# Altium PCB UltraZohm_Digital_Resolver.PcbDoc (part 3 of 3) (continued)
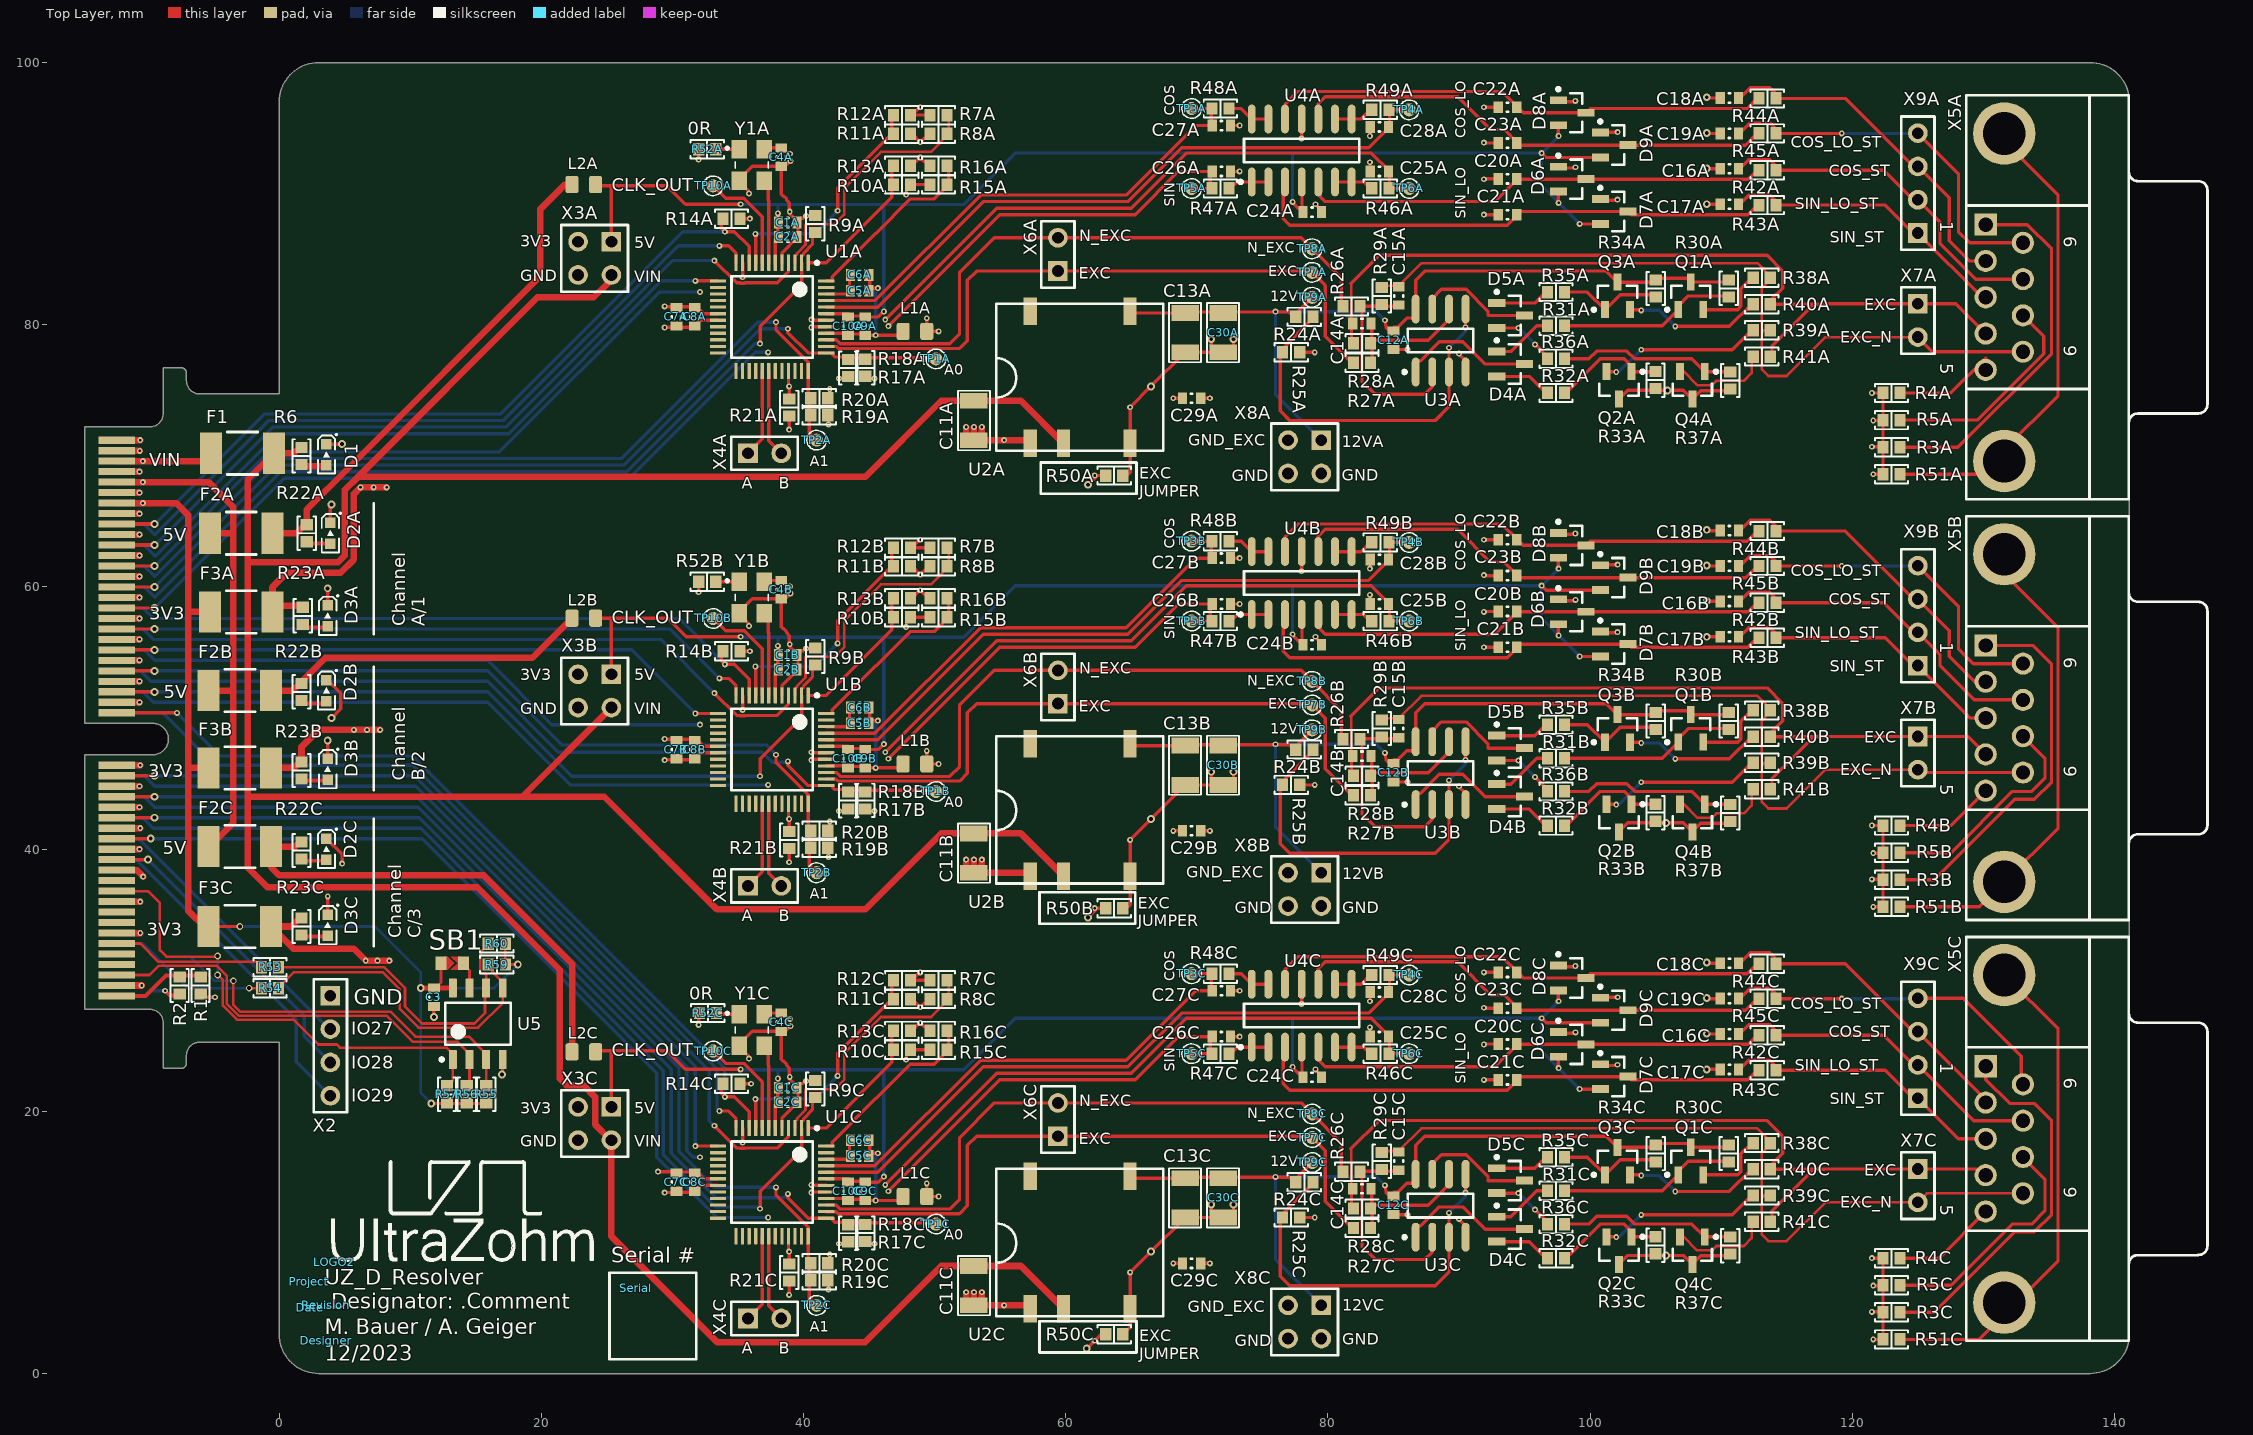
[diagram p0: Top Layer view]
## Nets (pads, with @x,y where several pads share a name; then routed paths per layer and width w, separated by ;. In a path a pad name is that pad's centre, name@x,y a point inside that pad or via, vN(x,y) a via of type N, cw(c..) or ccw(c..) an arc to the next point about the centre after c; other vN are vias at no path point) (continued)
NetC22C_1: C22C.1 D8C.3 R44C.2 U4C.12 | length 38.7
  Top Layer w0.254: U4C.12@76.73,29.7 76.73,30.83 77.7,31.8 93.275,31.8 94.475,30.6 94.898,30.177 D8C.3@99.68,30.177 100.003,30.5 111.983,30.5 R44C.2@112.75,31.267
NetC23A_1: C23A.1 D9A.3 R45A.2 U4A.10 | length 36.8
  Top Layer w0.254: U4A.10@79.27,95.7 79.27,96.87 79.8,97.4 89.9,97.4 92.4,94.9 93.442,94.9 94.475,93.867 94.632,93.71 D9A.3@102.88,93.71 111.86,93.71 R45A.2@112.75,94.6
NetC23B_1: C23B.1 D9B.3 R45B.2 U4B.10 | length 36.8
  Top Layer w0.254: U4B.10@79.27,62.7 79.27,63.87 79.8,64.4 89.9,64.4 92.4,61.9 93.442,61.9 94.475,60.867 94.632,60.71 D9B.3@102.88,60.71 111.86,60.71 R45B.2@112.75,61.6
NetC23C_1: C23C.1 D9C.3 R45C.2 U4C.10 | length 36.8
  Top Layer w0.254: U4C.10@79.27,29.7 79.27,30.87 79.8,31.4 89.9,31.4 92.4,28.9 93.442,28.9 94.475,27.867 94.632,27.71 D9C.3@102.88,27.71 111.86,27.71 R45C.2@112.75,28.6
NetD1_2: D1.2 R6.1 | length 1.9
  Top Layer w0.5: R6.1@1.7,69.225 3.525,69.225 D1.2@3.6,69.3
NetD2A_2: D2A.2 R22A.1 | length 1.8
  Top Layer w0.3: R22A.1@2.1,63.325 D2A.2@3.875,63.325
  Top Layer w0.5: D2A.2@3.875,63.325 D2A.2@3.9,63.3
NetD2B_2: D2B.2 R22B.1 | length 2
  Top Layer w0.3: R22B.1@1.7,51.125 3.425,51.125 D2B.2@3.6,51.3
NetD2C_2: D2C.2 R22C.1 | length 2
  Top Layer w0.254: R22C.1@1.7,39.125 3.425,39.125 D2C.2@3.6,39.3
NetD3A_2: D3A.2 R23A.1 | length 2
  Top Layer w0.3: R23A.1@1.7,56.925 3.625,56.925 D3A.2@3.7,57
NetD3B_2: D3B.2 R23B.1 | length 2
  Top Layer w0.3: R23B.1@1.7,45.225 3.625,45.225 D3B.2@3.7,45.3
NetD3C_2: D3C.2 R23C.1 | length 2
  Top Layer w0.3: R23C.1@1.7,33.325 3.625,33.325 D3C.2@3.7,33.4
NetD4A_1: D4A.1 R31A.1 | length 4.3
  Top Layer w0.254: D4A.1@93.18,77.96 93.96,77.96 95.933,79.933 R31A.1@96.625,79.933
NetD4A_2: D4A.2 R32A.1 | length 4.3
  Top Layer w0.254: D4A.2@92.88,76.06 95.365,76.06 R32A.1@96.625,74.8
NetD4A_3: D4A.3 U3A.1 | length 10.4
  Top Layer w0.254: U3A.1@86.695,76.4 86.695,77.106 86.855,77.266 87.066,77.266 88.504,78.704 90.296,78.704 91.99,77.01 D4A.3@94.98,77.01
NetD4B_1: D4B.1 R31B.1 | length 4.3
  Top Layer w0.254: D4B.1@93.18,44.96 93.96,44.96 95.933,46.933 R31B.1@96.625,46.933
NetD4B_2: D4B.2 R32B.1 | length 4.3
  Top Layer w0.254: D4B.2@92.88,43.06 95.365,43.06 R32B.1@96.625,41.8
NetD4B_3: D4B.3 U3B.1 | length 10.4
  Top Layer w0.254: U3B.1@86.695,43.4 86.695,44.106 86.855,44.266 87.066,44.266 88.504,45.704 90.296,45.704 91.99,44.01 D4B.3@94.98,44.01
NetD4C_1: D4C.1 R31C.1 | length 4.3
  Top Layer w0.254: D4C.1@93.18,11.96 93.96,11.96 95.933,13.933 R31C.1@96.625,13.933
NetD4C_2: D4C.2 R32C.1 | length 4.3
  Top Layer w0.254: D4C.2@92.88,10.06 95.365,10.06 R32C.1@96.625,8.8
NetD4C_3: D4C.3 U3C.1 | length 10.4
  Top Layer w0.254: U3C.1@86.695,10.4 86.695,11.106 86.855,11.266 87.066,11.266 88.504,12.704 90.296,12.704 91.99,11.01 D4C.3@94.98,11.01
NetD5A_1: D5A.1 R35A.1 | length 3.8
  Top Layer w0.254: D5A.1@93.18,81.66 95.785,81.66 R35A.1@96.625,82.5
NetD5A_2: D5A.2 R36A.1 | length 4.6
  Top Layer w0.254: D5A.2@93.18,79.76 v1(94.54,79.76) ; v1(95.8,78.5) 96.625,77.675 R36A.1@96.625,77.4
  Bottom Layer w0.254: v1(94.54,79.76) v1(95.8,78.5)
NetD5A_3: D5A.3 U3A.7 | length 9.1
  Top Layer w0.254: U3A.7@87.965,81.2 87.965,82 88.665,82.7 90.55,82.7 92.21,81.04 92.21,80.71 D5A.3@94.98,80.71
NetD5B_1: D5B.1 R35B.1 | length 3.8
  Top Layer w0.254: D5B.1@93.18,48.66 95.785,48.66 R35B.1@96.625,49.5
NetD5B_2: D5B.2 R36B.1 | length 4.6
  Top Layer w0.254: D5B.2@93.18,46.76 v1(94.54,46.76) ; v1(95.8,45.5) 96.625,44.675 R36B.1@96.625,44.4
  Bottom Layer w0.254: v1(94.54,46.76) v1(95.8,45.5)
NetD5B_3: D5B.3 U3B.7 | length 9.1
  Top Layer w0.254: U3B.7@87.965,48.2 87.965,49 88.665,49.7 90.55,49.7 92.21,48.04 92.21,47.71 D5B.3@94.98,47.71
NetD5C_1: D5C.1 R35C.1 | length 3.8
  Top Layer w0.254: D5C.1@93.18,15.66 95.785,15.66 R35C.1@96.625,16.5
NetD5C_2: D5C.2 R36C.1 | length 4.6
  Top Layer w0.254: D5C.2@93.18,13.76 v1(94.54,13.76) ; v1(95.8,12.5) 96.625,11.675 R36C.1@96.625,11.4
  Bottom Layer w0.254: v1(94.54,13.76) v1(95.8,12.5)
NetD5C_3: D5C.3 U3C.7 | length 9.1
  Top Layer w0.254: U3C.7@87.965,15.2 87.965,16 88.665,16.7 90.55,16.7 92.21,15.04 92.21,14.71 D5C.3@94.98,14.71
NetF2A_2: F2A.2 L2A.2 R22A.2 | length 37.5
  Top Layer w0.5: F2A.2@-0.51,64.1 1.325,64.1 2.1,64.875 2.1,65.9 5.3,69.1 19.9,83.7 19.9,88.8 21.8,90.7 L2A.2@22.34,90.7
NetF2B_2: F2B.2 L2B.2 R22B.2 | length 25.2
  Top Layer w0.5: F2B.2@-0.61,52.1 1.025,52.1 1.7,52.775 3.525,54.6 19.32,54.6 L2B.2@22.34,57.62
NetF2C_2: F2C.2 L2C.2 R22C.2 | length 36.8
  Top Layer w0.5: R22C.2@1.7,40.675 1.225,40.2 F2C.2@-0.61,40.2 -0.61,38.61 0,38 15.6,38 22.34,31.26 L2C.2@22.34,24.54
NetQ1A_1: Q1A.1 R30A.1 R31A.2 | length 13.6
  Top Layer w0.254: R31A.2@98.175,79.933 105.503,79.933 Q1A.1@106.73,81.16 106.73,81.43 107.5,82.2 110.395,82.2 R30A.1@110.59,82.005
NetQ1A_2: Q1A.2 R38A.1 | length 5.5
  Top Layer w0.254: Q1A.2@108.63,81.16 111.26,81.16 111.5,81.4 111.5,82.755 R38A.1@112.325,83.58
NetQ1B_1: Q1B.1 R30B.1 R31B.2 | length 13.6
  Top Layer w0.254: R31B.2@98.175,46.933 105.503,46.933 Q1B.1@106.73,48.16 106.73,48.43 107.5,49.2 110.395,49.2 R30B.1@110.59,49.005
NetQ1B_2: Q1B.2 R38B.1 | length 5.5
  Top Layer w0.254: Q1B.2@108.63,48.16 111.26,48.16 111.5,48.4 111.5,49.755 R38B.1@112.325,50.58
NetQ1C_1: Q1C.1 R30C.1 R31C.2 | length 13.6
  Top Layer w0.254: R31C.2@98.175,13.933 105.503,13.933 Q1C.1@106.73,15.16 106.73,15.43 107.5,16.2 110.395,16.2 R30C.1@110.59,16.005
NetQ1C_2: Q1C.2 R38C.1 | length 5.5
  Top Layer w0.254: Q1C.2@108.63,15.16 111.26,15.16 111.5,15.4 111.5,16.755 R38C.1@112.325,17.58
NetQ2A_1: Q2A.1 R32A.2 R33A.1 | length 8.6
  Top Layer w0.254: R32A.2@98.175,74.8 100.775,77.4 102.6,77.4 103.15,76.85 Q2A.1@103.15,76.425 104.86,76.425 R33A.1@104.99,76.555
NetQ2A_2: Q2A.2 R39A.2 | length 12.4
  Top Layer w0.254: Q2A.2@101.25,76.425 101.975,76.425 v1(102,76.4) ; v1(103.9,78.1) 110.845,78.1 R39A.2@112.325,79.58
  Bottom Layer w0.254: v1(102,76.4) 102.2,76.4 v1(103.9,78.1)
NetQ2B_1: Q2B.1 R32B.2 R33B.1 | length 8.6
  Top Layer w0.254: R32B.2@98.175,41.8 100.775,44.4 102.6,44.4 103.15,43.85 Q2B.1@103.15,43.425 104.86,43.425 R33B.1@104.99,43.555
NetQ2B_2: Q2B.2 R39B.2 | length 12.4
  Top Layer w0.254: Q2B.2@101.25,43.425 101.975,43.425 v1(102,43.4) ; v1(103.9,45.1) 110.845,45.1 R39B.2@112.325,46.58
  Bottom Layer w0.254: v1(102,43.4) 102.2,43.4 v1(103.9,45.1)
NetQ2C_1: Q2C.1 R32C.2 R33C.1 | length 8.6
  Top Layer w0.254: R32C.2@98.175,8.8 100.775,11.4 102.6,11.4 103.15,10.85 Q2C.1@103.15,10.425 104.86,10.425 R33C.1@104.99,10.555
NetQ2C_2: Q2C.2 R39C.2 | length 12.4
  Top Layer w0.254: Q2C.2@101.25,10.425 101.975,10.425 v1(102,10.4) ; v1(103.9,12.1) 110.845,12.1 R39C.2@112.325,13.58
  Bottom Layer w0.254: v1(102,10.4) 102.2,10.4 v1(103.9,12.1)
NetQ3A_1: Q3A.1 R34A.1 R35A.2 | length 8
  Top Layer w0.254: R35A.2@98.175,82.5 99.795,82.5 Q3A.1@101.14,81.155 102.285,82.3 104.7,82.3 R34A.1@105,82
NetQ3A_2: Q3A.2 R40A.1 | length 10.5
  Top Layer w0.254: Q3A.2@103.04,81.155 103.845,81.155 v1(103.9,81.1) ; v1(106.5,79.885) 110.63,79.885 R40A.1@112.325,81.58
  Bottom Layer w0.254: v1(103.9,81.1) 105.285,81.1 v1(106.5,79.885)
NetQ3B_1: Q3B.1 R34B.1 R35B.2 | length 8
  Top Layer w0.254: R35B.2@98.175,49.5 99.795,49.5 Q3B.1@101.14,48.155 102.285,49.3 104.7,49.3 R34B.1@105,49
NetQ3B_2: Q3B.2 R40B.1 | length 10.5
  Top Layer w0.254: Q3B.2@103.04,48.155 103.845,48.155 v1(103.9,48.1) ; v1(106.5,46.885) 110.63,46.885 R40B.1@112.325,48.58
  Bottom Layer w0.254: v1(103.9,48.1) 105.285,48.1 v1(106.5,46.885)
NetQ3C_1: Q3C.1 R34C.1 R35C.2 | length 8
  Top Layer w0.254: R35C.2@98.175,16.5 99.795,16.5 Q3C.1@101.14,15.155 102.285,16.3 104.7,16.3 R34C.1@105,16
NetQ3C_2: Q3C.2 R40C.1 | length 10.5
  Top Layer w0.254: Q3C.2@103.04,15.155 103.845,15.155 v1(103.9,15.1) ; v1(106.5,13.885) 110.63,13.885 R40C.1@112.325,15.58
  Bottom Layer w0.254: v1(103.9,15.1) 105.285,15.1 v1(106.5,13.885)
NetQ4A_1: Q4A.1 R36A.2 R37A.1 | length 13.5
  Top Layer w0.254: R36A.2@98.175,77.4 99.9,77.4 100.5,78 102.8,78 103.4,77.4 107.775,77.4 Q4A.1@108.75,76.425 110.585,76.425 R37A.1@110.69,76.53
NetQ4A_2: Q4A.2 R41A.2 | length 7.5
  Top Layer w0.203: Q4A.2@106.85,76.425 107.149,76.425 108.174,75.4 109.3,75.4 109.632,75.732 111.732,75.732 112.325,76.325 R41A.2@112.325,77.58
NetQ4B_1: Q4B.1 R36B.2 R37B.1 | length 13.5
  Top Layer w0.254: R36B.2@98.175,44.4 99.9,44.4 100.5,45 102.8,45 103.4,44.4 107.775,44.4 Q4B.1@108.75,43.425 110.585,43.425 R37B.1@110.69,43.53
NetQ4B_2: Q4B.2 R41B.2 | length 7.5
  Top Layer w0.203: Q4B.2@106.85,43.425 107.149,43.425 108.174,42.4 109.3,42.4 109.632,42.732 111.732,42.732 112.325,43.325 R41B.2@112.325,44.58
NetQ4C_1: Q4C.1 R36C.2 R37C.1 | length 13.5
  Top Layer w0.254: R36C.2@98.175,11.4 99.9,11.4 100.5,12 102.8,12 103.4,11.4 107.775,11.4 Q4C.1@108.75,10.425 110.585,10.425 R37C.1@110.69,10.53
NetQ4C_2: Q4C.2 R41C.2 | length 7.5
  Top Layer w0.203: Q4C.2@106.85,10.425 107.149,10.425 108.174,9.4 109.3,9.4 109.632,9.732 111.732,9.732 112.325,10.325 R41C.2@112.325,11.58
NetR7A_2: R7A.2 R8A.1 U1A.3 | length 19.7
  Top Layer w0.203: U1A.3@39.35,84.725 39.35,85.221 39.496,85.367 39.496,85.45 40.152,86.106 40.152,87.652 40.177,87.677 41.544,87.677 41.548,87.673 42.373,87.673 43.1,88.4 43.1,90.4 45.9,93.2 49.733,93.2 51.075,94.542 51.075,94.567 R7A.2@51.075,96
NetR7B_2: R7B.2 R8B.1 U1B.3 | length 19.7
  Top Layer w0.203: U1B.3@39.35,51.725 39.35,52.221 39.496,52.367 39.496,52.45 40.152,53.106 40.152,54.652 40.177,54.677 41.544,54.677 41.548,54.673 42.373,54.673 43.1,55.4 43.1,57.4 45.9,60.2 49.733,60.2 51.075,61.542 51.075,61.567 R7B.2@51.075,63
NetR7C_2: R7C.2 R8C.1 U1C.3 | length 19.7
  Top Layer w0.203: U1C.3@39.35,18.725 39.35,19.221 39.496,19.367 39.496,19.45 40.152,20.106 40.152,21.652 40.177,21.677 41.544,21.677 41.548,21.673 42.373,21.673 43.1,22.4 43.1,24.4 45.9,27.2 49.733,27.2 51.075,28.542 51.075,28.567 R7C.2@51.075,30
NetR10A_2: R10A.2 R13A.1 U1A.1 | length 10.9
  Top Layer w0.254: U1A.1@40.35,84.725 41.725,84.725 46.725,89.725 R10A.2@46.725,90.7
  Top Layer w0.3: R10A.2@46.725,90.7 R13A.1@46.725,92.133
NetR10B_2: R10B.2 R13B.1 U1B.1 | length 10.9
  Top Layer w0.254: U1B.1@40.35,51.725 41.725,51.725 46.725,56.725 R10B.2@46.725,57.7
  Top Layer w0.3: R10B.2@46.725,57.7 R13B.1@46.725,59.133
NetR10C_2: R10C.2 R13C.1 U1C.1 | length 10.9
  Top Layer w0.254: U1C.1@40.35,18.725 41.725,18.725 46.725,23.725 R10C.2@46.725,24.7
  Top Layer w0.3: R10C.2@46.725,24.7 R13C.1@46.725,26.133
NetR15A_2: R15A.2 R16A.1 U1A.48 | length 14
  Top Layer w0.254: U1A.48@41.725,83.35 42.177,83.35 42.179,83.352 42.179,83.65 45.526,86.997 45.531,86.997 48.134,89.6 49.975,89.6 R15A.2@51.075,90.7
  Top Layer w0.3: R15A.2@51.075,90.7 R16A.1@51.075,92.133
NetR15B_2: R15B.2 R16B.1 U1B.48 | length 14
  Top Layer w0.254: U1B.48@41.725,50.35 42.177,50.35 42.179,50.352 42.179,50.65 45.526,53.997 45.531,53.997 48.134,56.6 49.975,56.6 R15B.2@51.075,57.7
  Top Layer w0.3: R15B.2@51.075,57.7 R16B.1@51.075,59.133
NetR15C_2: R15C.2 R16C.1 U1C.48 | length 14
  Top Layer w0.254: U1C.48@41.725,17.35 42.177,17.35 42.179,17.352 42.179,17.65 45.526,20.997 45.531,20.997 48.134,23.6 49.975,23.6 R15C.2@51.075,24.7
  Top Layer w0.3: R15C.2@51.075,24.7 R16C.1@51.075,26.133
NetR46A_1: R46A.1 U4A.6 U4A.7 | length 2.9
  Top Layer w0.254: U4A.6@80.54,90.9 U4A.7@81.81,90.9 82.725,90.9 R46A.1@83.225,90.4
NetR46B_1: R46B.1 U4B.6 U4B.7 | length 2.9
  Top Layer w0.254: U4B.6@80.54,57.9 U4B.7@81.81,57.9 82.725,57.9 R46B.1@83.225,57.4
NetR46C_1: R46C.1 U4C.6 U4C.7 | length 2.9
  Top Layer w0.254: U4C.6@80.54,24.9 U4C.7@81.81,24.9 82.725,24.9 R46C.1@83.225,24.4
NetR47A_1: R47A.1 U4A.1 U4A.2 | length 3.1
  Top Layer w0.254: R47A.1@72.575,90.4 73.075,90.9 U4A.1@74.19,90.9 U4A.2@75.46,90.9
NetR47B_1: R47B.1 U4B.1 U4B.2 | length 3.1
  Top Layer w0.254: R47B.1@72.575,57.4 73.075,57.9 U4B.1@74.19,57.9 U4B.2@75.46,57.9
NetR47C_1: R47C.1 U4C.1 U4C.2 | length 3.1
  Top Layer w0.254: R47C.1@72.575,24.4 73.075,24.9 U4C.1@74.19,24.9 U4C.2@75.46,24.9
NetR48A_1: R48A.1 U4A.13 U4A.14 | length 3.2
  Top Layer w0.254: R48A.1@72.575,96.5 73.39,96.5 U4A.14@74.19,95.7 U4A.13@75.46,95.7
NetR48B_1: R48B.1 U4B.13 U4B.14 | length 3.2
  Top Layer w0.254: R48B.1@72.575,63.5 73.39,63.5 U4B.14@74.19,62.7 U4B.13@75.46,62.7
NetR48C_1: R48C.1 U4C.13 U4C.14 | length 3.2
  Top Layer w0.254: R48C.1@72.575,30.5 73.39,30.5 U4C.14@74.19,29.7 U4C.13@75.46,29.7
NetR49A_1: R49A.1 U4A.8 U4A.9 | length 3
  Top Layer w0.254: U4A.9@80.54,95.7 U4A.8@81.81,95.7 82.525,95.7 R49A.1@83.225,96.4
NetR49B_1: R49B.1 U4B.8 U4B.9 | length 3
  Top Layer w0.254: U4B.9@80.54,62.7 U4B.8@81.81,62.7 82.525,62.7 R49B.1@83.225,63.4
NetR49C_1: R49C.1 U4C.8 U4C.9 | length 3
  Top Layer w0.254: U4C.9@80.54,29.7 U4C.8@81.81,29.7 82.525,29.7 R49C.1@83.225,30.4
NetR52A_1: R52A.1 Y1A.1 | length 1.8
  Top Layer w0.254: R52A.1@33.3,93.4 Y1A.1@35.1,93.4
NetR52B_1: R52B.1 Y1B.1 | length 1.8
  Top Layer w0.254: R52B.1@33.3,60.4 Y1B.1@35.1,60.4
NetR52C_1: R52C.1 Y1C.1 | length 1.8
  Top Layer w0.254: R52C.1@33.3,27.4 Y1C.1@35.1,27.4
NetR53_2: R53.2 X1.89 | length 11.8
  Top Layer w0.2: X1.89@-12.4,32.8 -10.6,32.8 -9.2,31.4 -1.75,31.4 R53.2@-1.35,31
NetR54_1: R54.1 X1.90 | length 12.5
  Top Layer w0.2: v5(-2.3,29.4) R54.1@-1.35,29.4
  Bottom Layer w0.2: X1.90@-12.4,32.8 -10.4,32.8 -7,29.4 v5(-2.3,29.4)
NetSB1_2: SB1.2 U5.7 | length 2.1
  Top Layer w0.2: SB1.2@14.057,31.3 14.057,31.198 14.518,30.738 U5.7@14.518,29.404
PILOT_IN: R2.2 X1.100 | length 5.1
  Top Layer w0.3: v1(-8.7,29.2) -8.35,28.85 R2.2@-7.6,28.85
  Bottom Layer w0.3: X1.100@-12.4,28.8 -10.2,28.8 -9.8,29.2 v1(-8.7,29.2)
PILOT_OUT: R1.2 R2.1 X1.99 | length 7
  Top Layer w0.3: X1.99@-12.4,28.8 -10.2,28.8 -8.65,30.35 -7.6,30.35 R1.2@-6,30.35
PS_I2C0_SCL: R53.1 R60.1 U5.6 | length 24.7
  Top Layer w0.2: R53.1@-0.05,31 8,31 9.6,29.4 9.6,28 10.9,26.7 14.9,26.7 15.7,27.5 15.7,29.316 U5.6@15.788,29.404 15.788,30.408 15.671,30.525 15.442,30.525 15.325,30.642 15.325,32.125 15.95,32.75 R60.1@15.95,32.8 R60.1@15.95,32.85
PS_I2C0_SDA: R54.2 R59.1 U5.5 | length 24.4
  Top Layer w0.2: R54.2@-0.05,29.4 -0.05,29.45 1.1,30.6 7.9,30.6 9.2,29.3 9.2,27.8 10.617,26.383 15.183,26.383 17.058,28.258 U5.5@17.058,29.404 17.058,29.829 16.275,30.612 16.275,30.875 R59.1@15.95,31.2
REFBYPA: C5A.1 C6A.2 U1A.46 | length 3.1
  Top Layer w0.254: U1A.46@41.725,82.35 43.277,82.35 43.5,82.573 43.5,82.6 C6A.2@43.5,83.8
REFBYPB: C5B.1 C6B.2 U1B.46 | length 3.1
  Top Layer w0.254: U1B.46@41.725,49.35 43.277,49.35 43.5,49.573 43.5,49.6 C6B.2@43.5,50.8
REFBYPC: C5C.1 C6C.2 U1C.46 | length 3.1
  Top Layer w0.254: U1C.46@41.725,16.35 43.277,16.35 43.5,16.573 43.5,16.6 C6C.2@43.5,17.8
Resolver_SCLK1: U1A.13 X1.22 | length 54.9
  Top Layer w0.254: v1(31.75,83.35) U1A.13@33.475,83.35
  Bottom Layer w0.254: X1.22@-12.4,63.2 -10.3,63.2 -9.45,62.35 -0.1,71.7 17.5,71.7 29.15,83.35 v1(31.75,83.35)
Resolver_SCLK2: U1B.13 X1.41 | length 47.9
  Top Layer w0.254: X1.41@-12.4,55.2 v2(-9.5,55.2) ; v1(31.75,50.35) U1B.13@33.475,50.35
  Bottom Layer w0.254: v2(-9.5,55.2) 26.9,55.2 v1(31.75,50.35)
Resolver_SCLK3: U1C.13 X1.58 | length 61.1
  Top Layer w0.254: v1(31.75,17.35) U1C.13@33.475,17.35
  Bottom Layer w0.254: X1.58@-12.4,45.6 -10.3,45.6 -9.5,44.8 10.4,44.8 31.75,23.45 v1(31.75,17.35)
Resolver_SDI1: U1A.12 X1.18 | length 57.7
  Top Layer w0.254: v1(33.576,86.024) 34.276,86.024 34.85,85.45 U1A.12@34.85,84.725
  Bottom Layer w0.254: X1.18@-12.4,64.8 -10.3,64.8 -9.5,64 -0.8,72.7 17.1,72.7 30.424,86.024 v1(33.576,86.024)
Resolver_SDI2: U1B.12 X1.37 | length 49.8
  Top Layer w0.254: X1.37@-12.4,56.8 v2(-9.5,56.8) ; v1(33.576,53.024) 34.276,53.024 34.85,52.45 U1B.12@34.85,51.725
  Bottom Layer w0.254: v2(-9.5,56.8) 29.8,56.8 v1(33.576,53.024)
Resolver_SDI3: U1C.12 X1.54 | length 62.6
  Top Layer w0.254: v1(33.576,20.024) 34.276,20.024 34.85,19.45 U1C.12@34.85,18.725
  Bottom Layer w0.254: X1.54@-12.4,50.4 -8.9,50.4 -4.9,46.4 10.2,46.4 33.4,23.2 33.4,20.2 v1(33.576,20.024)
Resolver_SDO1: U1A.11 X1.33 | length 65.4
  Top Layer w0.254: X1.33@-12.4,58.4 v2(-9.5,58.4) ; v1(35.35,83.626) U1A.11@35.35,84.725
  VCC w0.254: v1(35.35,83.626) 37.3,81.676 v1(37.3,77.9)
  Bottom Layer w0.254: v2(-9.5,58.4) 0.4,68.3 26.7,68.3 36.3,77.9 v1(37.3,77.9)
Resolver_SDO2: U1B.11 X1.50 | length 60.3
  Top Layer w0.254: v1(35.35,50.626) U1B.11@35.35,51.725
  VCC w0.254: v1(35.35,50.626) 37.3,48.676 v1(37.3,44.9)
  Bottom Layer w0.254: X1.50@-12.4,52 -10.4,52 -9.6,51.2 15.9,51.2 22.2,44.9 v1(37.3,44.9)
Resolver_SDO3: U1C.11 X1.69 | length 73.1
  Top Layer w0.254: X1.69@-12.4,40.8 v2(-9.8,40.8) ; v1(35.35,17.626) U1C.11@35.35,18.725
  VCC w0.254: v1(35.35,17.626) 37.3,15.676 v1(37.3,11.9)
  Bottom Layer w0.254: v2(-9.8,40.8) 10.9,40.8 28.8,22.9 28.8,16.5 33.4,11.9 v1(37.3,11.9)
SIN_LOA: C25A.1 R46A.2 TP6A.1 U1A.42 | length 54
  Top Layer w0.254: v1(40.592,80.395) 40.645,80.395 40.69,80.35 U1A.42@41.725,80.35 ; v1(46.235,80.395) 54.739,88.9 65,88.9 69.2,93.1 83.3,93.1 84.7,91.7 84.7,90.475 84.775,90.4 TP6A.1@86.2,90.4
  VCC w0.254: v1(40.592,80.395) 40.644,80.395 40.839,80.2 46.018,80.2 46.212,80.395 v1(46.235,80.395)
SIN_LOB: C25B.1 R46B.2 TP6B.1 U1B.42 | length 54
  Top Layer w0.254: v1(40.592,47.395) 40.645,47.395 40.69,47.35 U1B.42@41.725,47.35 ; v1@46.235,47.396 54.739,55.9 65,55.9 69.2,60.1 83.3,60.1 84.7,58.7 84.7,57.475 84.775,57.4 TP6B.1@86.2,57.4
  VCC w0.254: v1(40.592,47.395) 40.644,47.395 40.839,47.2 46.018,47.2 46.212,47.395 v1(46.235,47.395)
SIN_LOC: C25C.1 R46C.2 TP6C.1 U1C.42 | length 54
  Top Layer w0.254: v1(40.592,14.395) 40.645,14.395 40.69,14.35 U1C.42@41.725,14.35 ; v1@46.235,14.396 54.739,22.9 65,22.9 69.2,27.1 83.3,27.1 84.7,25.7 84.7,24.475 84.775,24.4 TP6C.1@86.2,24.4
  VCC w0.254: v1(40.592,14.395) 40.644,14.395 40.839,14.2 46.018,14.2 46.212,14.395 v1(46.235,14.395)
SINA: C26A.1 R47A.2 TP5A.1 U1A.41 | length 39.4
  Top Layer w0.254: v1(40.586,79.795) 40.639,79.795 40.693,79.85 U1A.41@41.725,79.85 ; v1(46.475,79.9) 54.975,88.4 65.3,88.4 68.6,91.7 71.1,91.7 71.025,91.625 71.025,90.4 TP5A.1@69.6,90.4
  VCC w0.254: v1(40.586,79.795) 40.596,79.805 46.327,79.805 46.422,79.9 v1(46.475,79.9)
SINB: C26B.1 R47B.2 TP5B.1 U1B.41 | length 39.4
  Top Layer w0.254: v1(40.586,46.795) 40.639,46.795 40.693,46.85 U1B.41@41.725,46.85 ; v1(46.475,46.9) 54.975,55.4 65.3,55.4 68.6,58.7 71.1,58.7 71.025,58.625 71.025,57.4 TP5B.1@69.6,57.4
  VCC w0.254: v1(40.586,46.795) 40.596,46.805 46.327,46.805 46.422,46.9 v1(46.475,46.9)
SINC: C26C.1 R47C.2 TP5C.1 U1C.41 | length 39.4
  Top Layer w0.254: v1(40.586,13.795) 40.639,13.795 40.693,13.85 U1C.41@41.725,13.85 ; v1(46.475,13.9) 54.975,22.4 65.3,22.4 68.6,25.7 71.1,25.7 71.025,25.625 71.025,24.4 TP5C.1@69.6,24.4
  VCC w0.254: v1(40.586,13.795) 40.596,13.805 46.327,13.805 46.422,13.9 v1(46.475,13.9)
SOEA_N: R11A.1 R12A.2 U1A.9 | length 18.2
  Top Layer w0.254: v1(36.325,86.935) 36.348,86.912 36.348,84.727 U1A.9@36.35,84.725 ; v1(42.6,88.7) 42.6,90.442 46.725,94.567 R12A.2@46.725,96
  Bottom Layer w0.254: v1(36.325,86.935) 40.835,86.935 v1(42.6,88.7)
SOEB_N: R11B.1 R12B.2 U1B.9 | length 18.2
  Top Layer w0.254: v1(36.325,53.935) 36.348,53.912 36.348,51.727 U1B.9@36.35,51.725 ; v1(42.6,55.7) 42.6,57.442 46.725,61.567 R12B.2@46.725,63
  Bottom Layer w0.254: v1(36.325,53.935) 40.835,53.935 v1(42.6,55.7)
SOEC_N: R11C.1 R12C.2 U1C.9 | length 18.2
  Top Layer w0.254: v1(36.325,20.935) 36.348,20.912 36.348,18.727 U1C.9@36.35,18.725 ; v1(42.6,22.7) 42.6,24.442 46.725,28.567 R12C.2@46.725,30
  Bottom Layer w0.254: v1(36.325,20.935) 40.835,20.935 v1(42.6,22.7)
VIN: F1.1 X1.5 X1.6 | length 9.5
  Top Layer w0.5: X1.5@-12.4,69.6 v1(-10.4,69.6) -5.79,69.6 F1.1@-5.19,70.2
  Bottom Layer w0.5: X1.6@-12.4,69.6 v1(-10.4,69.6)
VIN_fused: C11A.1 C11B.1 C11C.1 F1.2 R6.2 U2A.2 U2B.2 U2C.2 X3A.2 X3B.2 X3C.2 | length 302.8
  Top Layer w0.5: R6.2@1.7,70.775 1.125,70.2 F1.2@-0.41,70.2 -2.4,68.21 -2.4,61.9 ; X3B.2@25.34,50.8 18.54,44 ; X3A.2@25.34,83.8 25.34,83.44 24,82.1 19.7,82.1 6,68.4 ; U2C.2@59.83,4.95 56.58,8.2 C11C.1@53,8.2 50.5,8.2 44.7,2.4 33.4,2.4 25.34,10.46 X3C.2@25.34,17.8 25.3,17.8 24.1,19 24.1,21.1 23.2,22 21.9,22 21.4,22.5 21.4,30.8 15.1,37.1 -0.9,37.1 -2.4,38.6 -2.4,44 ; U2B.2@59.83,37.95 56.58,41.2 C11B.1@53,41.2 50.5,41.2 44.7,35.4 33.4,35.4 24.8,44 18.54,44 ; U2A.2@59.83,70.95 56.58,74.2 C11A.1@53,74.2 50.5,74.2 44.7,68.4 6,68.4 ; -2.4,44 -2.4,61.9 ; -2.4,44 18.54,44 ; -2.4,61.9 4.5,61.9 5,62.4 5,67.4 6,68.4
VREF_ResolverA: R24A.1 R25A.2 U3A.3 U3A.5 | length 29.8
  Top Layer w0.254: R24A.1@78.975,80.6 76.375,78 76.375,73.425 77.1,72.7 88.2,72.7 89.235,73.735 U3A.3@89.235,76.4 v1(89.235,78.252) ; v1(90.5,79.8) 90.502,79.802 90.502,81.197 U3A.5@90.505,81.2
  Bottom Layer w0.254: v1(89.235,78.252) 90.467,79.484 90.467,79.767 v1(90.5,79.8)
VREF_ResolverB: R24B.1 R25B.2 U3B.3 U3B.5 | length 29.8
  Top Layer w0.254: R24B.1@78.975,47.6 76.375,45 76.375,40.425 77.1,39.7 88.2,39.7 89.235,40.735 U3B.3@89.235,43.4 ; U3B.3@89.235,43.4 v1(89.235,45.252) ; v1(90.5,46.8) 90.502,46.802 90.502,48.197 U3B.5@90.505,48.2
  Bottom Layer w0.254: v1(89.235,45.252) 90.467,46.484 90.467,46.767 v1(90.5,46.8)
VREF_ResolverC: R24C.1 R25C.2 U3C.3 U3C.5 | length 29.8
  Top Layer w0.254: R24C.1@78.975,14.6 76.375,12 76.375,7.425 77.1,6.7 88.2,6.7 89.235,7.735 U3C.3@89.235,10.4 v1(89.235,12.252) ; v1(90.5,13.8) 90.502,13.802 90.502,15.197 U3C.5@90.505,15.2
  Bottom Layer w0.254: v1(89.235,12.252) 90.467,13.484 90.467,13.767 v1(90.5,13.8)
pads on no net: U1A.14 U1A.15 U1A.16 U1A.17 U1A.20 U1A.21 U1A.22 U1A.23 U1A.24 U1A.25 U1A.26 U1A.27 U1A.28 U1A.31 U1A.32 U1A.34 U1A.35 U1A.47 U1B.14 U1B.15 U1B.16 U1B.17 U1B.20 U1B.21 U1B.22 U1B.23 U1B.24 U1B.25 U1B.26 U1B.27 U1B.28 U1B.31 U1B.32 U1B.34 U1B.35 U1B.47 U1C.14 U1C.15 U1C.16 U1C.17 U1C.20 U1C.21 U1C.22 U1C.23 U1C.24 U1C.25 U1C.26 U1C.27 U1C.28 U1C.31 U1C.32 U1C.34 U1C.35 U1C.47 U2A.8 U2B.8 U2C.8 X1.77 X1.78 X1.83 X1.84 X1.85 X1.86 X1.91 X1.92 X1.93 X1.94 X1.96

## Polygon pours and split planes (outlines as drawn)
3V3C on VCC "3V3C_L03_P014" (solid, pour order 14): 130,1 130,32 5,32 5,1
3V3A on VCC "3V3A_L03_P012" (solid, pour order 12): 130,67 5,67 5,99 130,99
3V3B on VCC "3V3B_L03_P013" (solid, pour order 13): 130,34 130,65 5,65 5,34
GND_EXCA on VCC "GND_EXCA_L03_P003" (solid, pour order 3): 130,67 130,87 64,87 64,67
GND_EXCC on VCC "GND_EXCC_L03_P001" (solid, pour order 1): 130,1 130,21 64,21 64,1
GND_EXCB on VCC "GND_EXCB_L03_P002" (solid, pour order 2): 130,34 130,54 64,54 64,34
GND on Ground "GND_L02_P011" (solid, pour order 11): -13.5,100 -13.5,0 141.141,0 141.141,100

## Silkscreen, mask and mechanical layers (free items; w line width, h text height)
Top Overlay:
  lines w0.2: 7.2,32.6 7.2,42.3 ; 7.2,44.5 7.2,53.9 ; 7.2,56.4 7.2,66.4 ; 58,1.6 58,4 65.4,4 65.4,1.6 58,1.6 ; 58,34.3 58,36.7 65.3,36.7 65.3,34.3 58,34.3 ; 58.1,67.1 65.4,67.1 65.4,69.5 58.1,69.5 58.1,67.1
  text "COS_LO_ST" at 115.3,93.5 h0.9
  text "COS_ST" at 118.2,91.35 h0.9
  text "SIN_LO_ST" at 115.6,88.8 h0.9
  text "N_EXC" at 61.02,86.372 h0.9
  text "SIN_ST" at 118.3,86.25 h0.9
  text "EXC" at 61,83.5 h0.9
  text "EXC" at 120.899,81.1 h0.9
  text "EXC_N" at 119.1,78.65 h0.9
  text "VIN" at -9.9,69.2 h1
  text "A" at 35.3,67.5 h0.9
  text "B" at 38.1,67.5 h0.9
  text "EXC  / JUMPER" at 65.6,66.9 h0.9
  text "5V" at -8.9,63.48 h1
  text "COS_LO_ST" at 115.3,60.8 h0.9
  text "COS_ST" at 118.2,58.65 h0.9
  text "3V3" at -9.9,57.5 h1
  text "Channel / A/1" at 11.1,57 h1 r90
  text "SIN_LO_ST" at 115.6,56.1 h0.9
  text "SIN_ST" at 118.3,53.55 h0.9
  text "N_EXC" at 61.02,53.372 h0.9
  text "5V" at -8.8,51.5 h1
  text "EXC" at 61,50.5 h0.9
  text "EXC" at 120.899,48.1 h0.9
  text "EXC_N" at 119.1,45.65 h0.9
  text "3V3" at -10,45.5 h1
  text "Channel / B/2" at 11.1,45.2 h1 r90
  text "5V" at -8.9,39.6 h1
  text "A" at 35.3,34.5 h0.9
  text "B" at 38.1,34.5 h0.9
  text "EXC  / JUMPER" at 65.5,34.1 h0.9
  text "3V3" at -10.1,33.4 h1
  text "Channel / C/3" at 10.8,33.2 h1 r90
  text "GND" at 5.7,28.13 h1.2
  text "COS_LO_ST" at 115.3,27.8 h0.9
  text "IO27" at 5.5,25.83 h1
  text "COS_ST" at 118.2,25.65 h0.9
  text "IO28" at 5.5,23.23 h1
  text "SIN_LO_ST" at 115.6,23.1 h0.9
  text "IO29" at 5.5,20.73 h1
  text "SIN_ST" at 118.3,20.55 h0.9
  text "N_EXC" at 61.02,20.372 h0.9
  text "EXC" at 61,17.5 h0.9
  text "EXC" at 120.899,15.1 h0.9
  text "EXC_N" at 119.1,12.65 h0.9
  text "A" at 35.3,1.5 h0.9
  text "B" at 38.1,1.5 h0.9
  text "EXC  / JUMPER" at 65.6,1.1 h0.9
Mechanical 1:
  lines w0.1: -14.853,27.775 -14.853,47.2 -9.653,47.2 ccw(c-9.653,48.4) -9.653,49.6 -14.853,49.6 -14.853,72.225 -9.853,72.225 ccw(c-9.853,73.225) -8.853,73.225 -8.853,76.725 -7.473,76.725 cw(c-7.473,76.325) -7.073,76.325 -7.073,75.725 ccw(c-6.073,75.725) -6.073,74.725 0,74.725 0,97 cw(c3,97) 3,100 138.141,100 cw(c138.141,97) 141.141,97 141.141,3 cw(c138.141,3) 138.141,0 3,0 cw(c3,3) 0,3 0,25.275 -6.073,25.275 ccw(c-6.073,24.275) -7.073,24.275 -7.073,23.675 cw(c-7.473,23.675) -7.473,23.275 -8.853,23.275 -8.853,26.775 ccw(c-9.853,26.775) -9.853,27.775 -14.853,27.775

## Dimensions
141.141,0 to 141.141,100 on Mechanical 2
146.143,97.802 to -14.84,72.216 on Mechanical 2
141.141,100 to -14.853,72.225 on Mechanical 2
141.141,100 to 0.031,100 on Mechanical 2

## Text inside footprints (layer, text, board x,y; h text height)
X3A: Top Overlay "5V" at 27.1,85.84 h0.9; Top Overlay "VIN" at 27.1,83.24 h0.9; Top Overlay "GND" at 18.4,83.34 h0.9; Top Overlay "3V3" at 18.4,85.94 h0.9
X3B: Top Overlay "3V3" at 18.4,52.9 h0.9; Top Overlay "GND" at 18.4,50.3 h0.9; Top Overlay "VIN" at 27.1,50.3 h0.9; Top Overlay "5V" at 27.1,52.9 h0.9
X3C: Top Overlay "3V3" at 18.4,19.8 h0.9; Top Overlay "GND" at 18.4,17.3 h0.9; Top Overlay "VIN" at 27.1,17.3 h0.9; Top Overlay "5V" at 27.1,19.8 h0.9
X5A: Top Overlay "1" at 126.725,87.89 h1 r270; Top Overlay "5" at 126.725,77.06 h1 r270; Top Overlay "9" at 136.125,78.445 h1 r270; Top Overlay "6" at 136.125,86.755 h1 r270
X5B: Top Overlay "6" at 136.125,54.655 h1 r270; Top Overlay "9" at 136.125,46.345 h1 r270; Top Overlay "5" at 126.725,44.96 h1 r270; Top Overlay "1" at 126.725,55.79 h1 r270
X5C: Top Overlay "1" at 126.725,23.69 h1 r270; Top Overlay "5" at 126.725,12.86 h1 r270; Top Overlay "9" at 136.125,14.245 h1 r270; Top Overlay "6" at 136.125,22.555 h1 r270
X8A: Top Overlay "12VA" at 81.05,70.672 h0.9; Top Overlay "GND_EXC" at 69.359,70.785 h0.9; Top Overlay "GND" at 81.06,68.1 h0.9; Top Overlay "GND" at 72.66,68.06 h0.9
X8B: Top Overlay "GND_EXC" at 69.2,37.8 h0.9; Top Overlay "GND" at 72.9,35.1 h0.9; Top Overlay "GND" at 81.1,35.1 h0.9; Top Overlay "12VB" at 81.1,37.7 h0.9
X8C: Top Overlay "12VC" at 81.1,4.8 h0.9; Top Overlay "GND" at 81.1,2.2 h0.9; Top Overlay "GND" at 72.9,2.06 h0.9; Top Overlay "GND_EXC" at 69.3,4.66 h0.9